# Altium PCB Timingcard_PCB.PcbDoc (part 1 of 3) (continued)
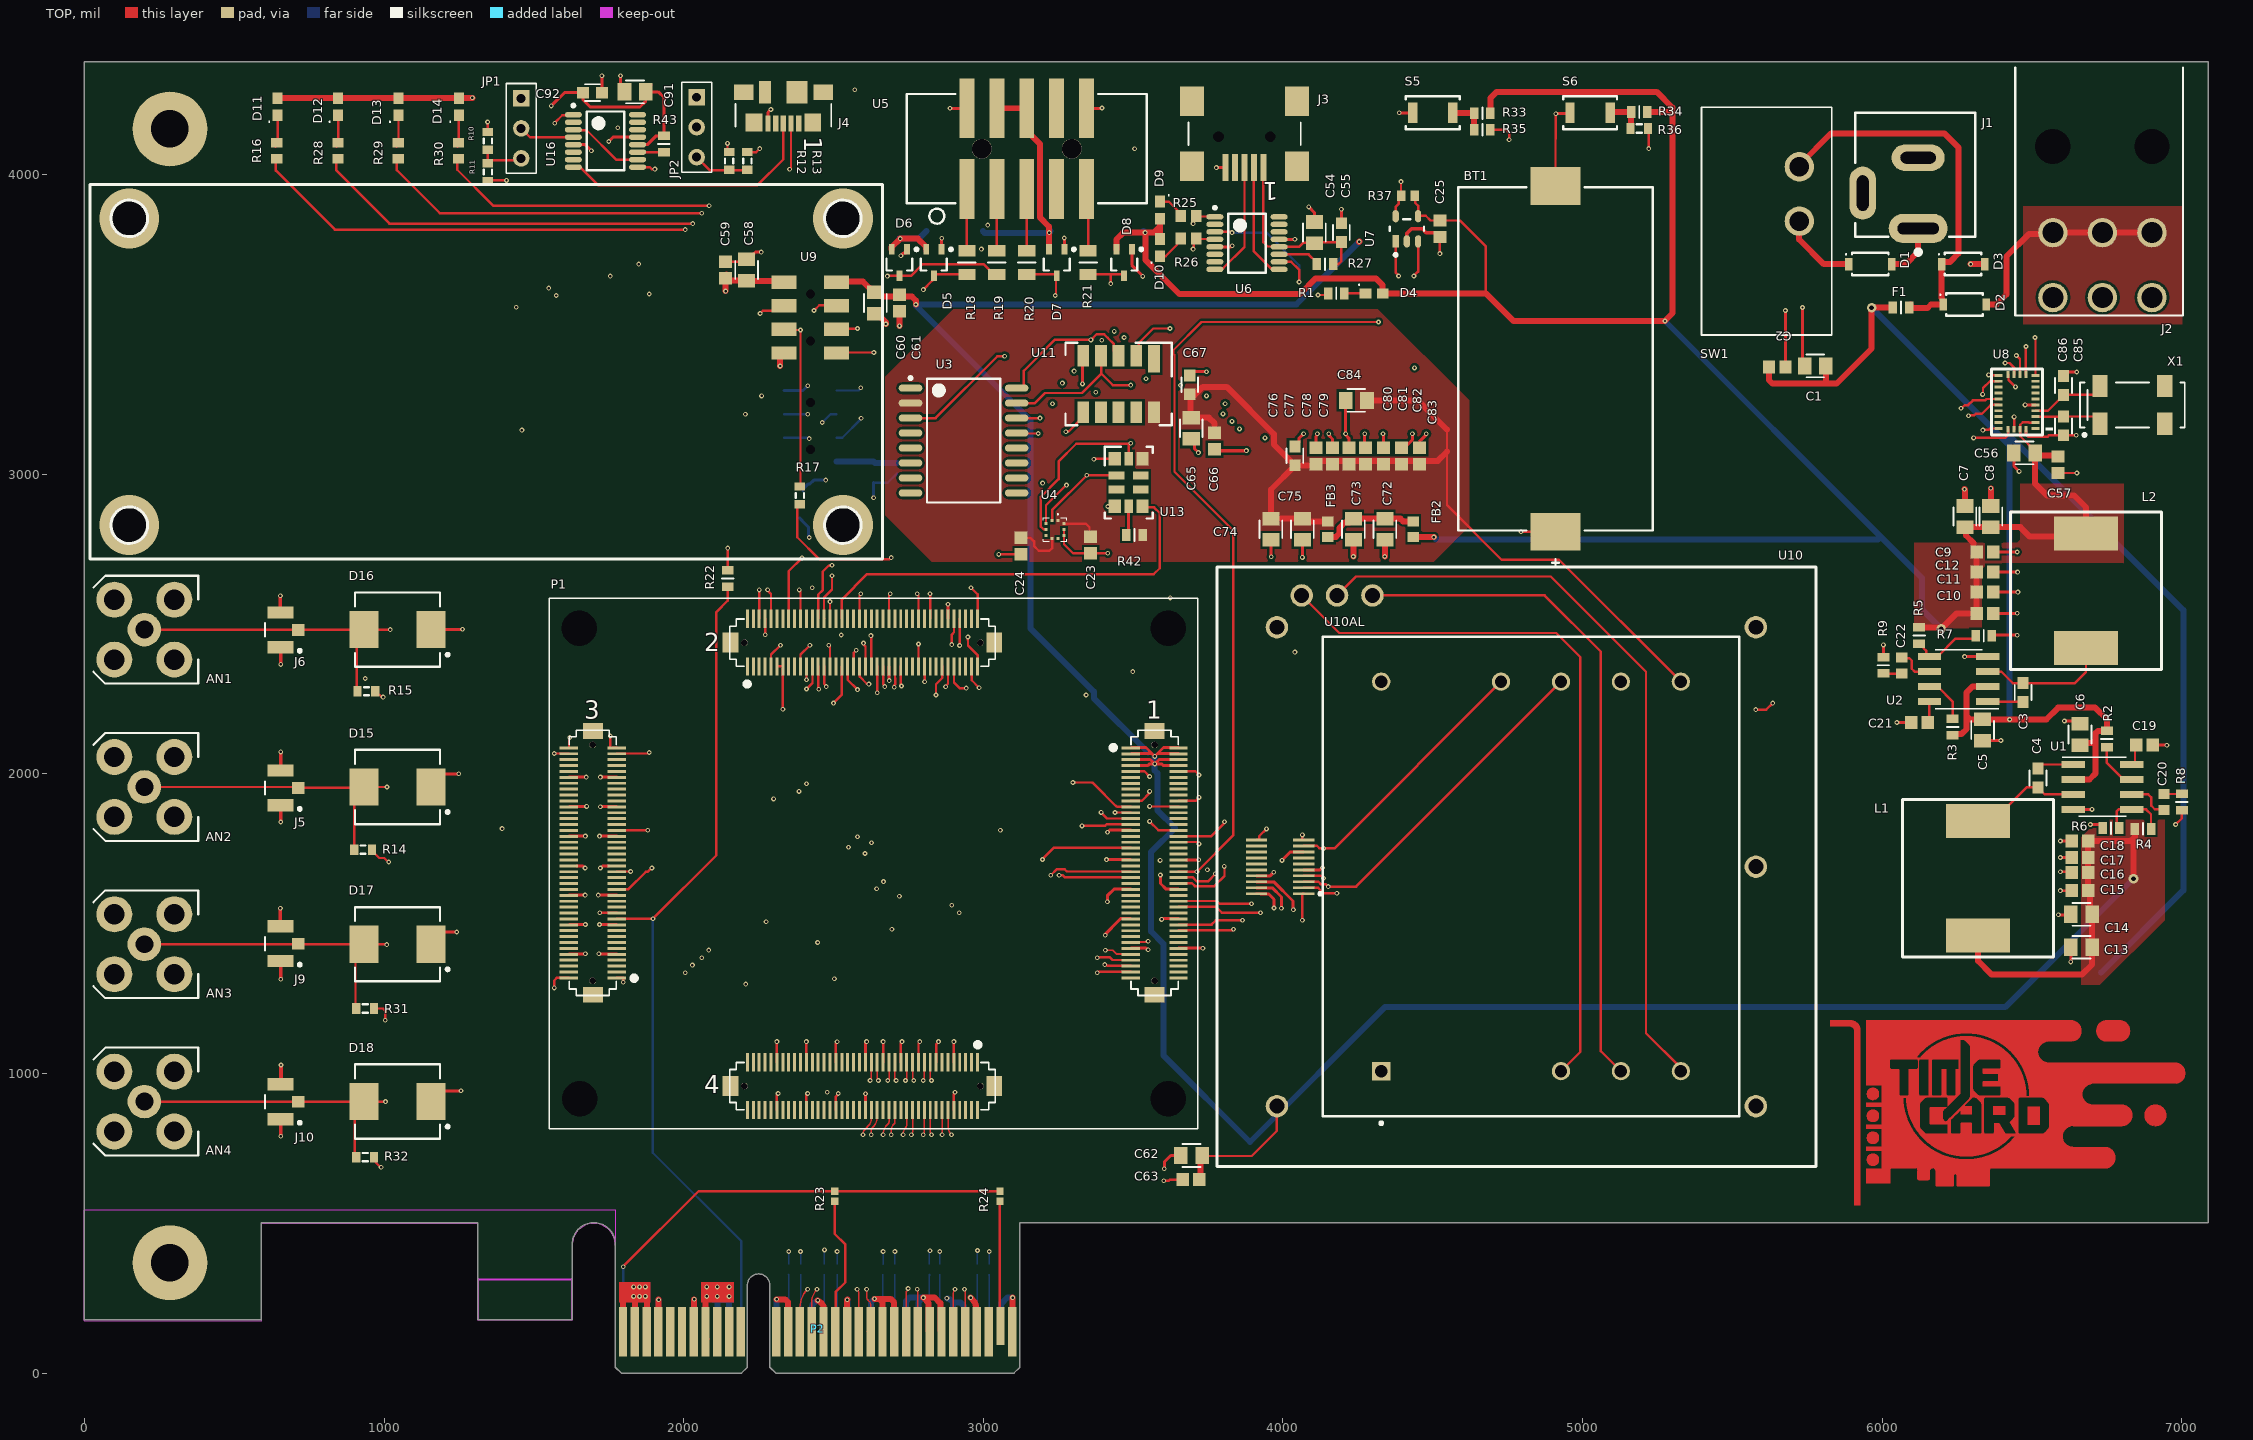
[diagram p0: TOP view]
## Footprints (in the part's own frame and the unit in brackets; to place one, negate y for a bottom-side part, rotate by r counter-clockwise, add the part's x,y. Pads: shape width x height; smd on the part's side, far side on the other; paste and mask are expansions set on the pad) (continued)
  rect 0.9x0.5 smd: 1(-1.125,0.65) 2(-1.125,-0.65) 3(1.125,0)
  silkscreen extent -1.25,-1.1 0.67,1.58, body extent -1.25,-1.1 1,1.1, height 1.08
TECO-1909763-1_V [mm] "SMD, 3-Leads, Body 2.6x2.6mm, Height 1.25mm"
  rect 1.05x2.2 smd: 1(-1.475,0) 3(1.475,0)
  rect 1x1.05 smd: 2(0,-1.525)
  silkscreen extent -1.9,-1.78 0.55,1.3, body extent -1.5,-1.55 1.5,1.55, height 1.23
USB_47346-1001 [mm] "USB-MICRO B FLANGELESS BOTTOM MNT"
  rect 1.65x1.3 smd: 0(-2.075,-2.66) 0(4.675,-2.66)
  rect 1.42x1.55 smd: 0(-1.2,-0.085) 0(3.8,-0.085)
  rect 1.8x1.9 smd: 0(0.15,-2.66)
  rect 1x1.9 smd: 0(2.85,-2.66)
  rect 0.45x1.38 smd: 1(0,0) 2(0.65,0) 3(1.3,0) 4(1.95,0) 5(2.6,0)
  silkscreen extent -2.76,-1.65 5.36,0.25, body extent -2.6,-4.75 5.2,0.25, height 2.68
USB_1734035 [mm] "USB-MINI B W/BRD GUIDE"
  rect 2x2.5 smd: 0(-2.85,-0.1) 0(-2.85,-5.6) 0(6.05,-0.1) 0(6.05,-5.6)
  round 0.8 hole 0.9 unplated: 0(-0.6,-2.6) 0(3.8,-2.6)
  rect 0.5x2.3 smd: 1(0,0) 2(0.8,0) 3(1.6,0) 4(2.4,0) 5(3.2,0)
  silkscreen extent -3.17,-3.81 6.35,-1.9, body extent -3.33,-8.5 6.57,0.7, height 4.14
W16-H2_L [mm] "SOIC, 16-Leads, Body 10.3x7.5mm, Pitch 1.27mm, IPC High Density"
  oval 2x0.6 smd: 1(-4.5,4.445) 2(-4.5,3.175) 3(-4.5,1.905) 4(-4.5,0.635) 5(-4.5,-0.635) 6(-4.5,-1.905) 7(-4.5,-3.175) 8(-4.5,-4.445) 9(4.5,-4.445) 10(4.5,-3.175) 11(4.5,-1.905) 12(4.5,-0.635) 13(4.5,0.635) 14(4.5,1.905) 15(4.5,3.175) 16(4.5,4.445)
  silkscreen extent -4.62,-5.25 3.1,5.42, body extent -3.8,-5.25 3.8,5.25, height 2.65

## Part data
AN1 AN2 AN3 AN4: "CONN, JACK, SMA, FEMALE, 50 OHM, R/A, GOLD, TH", MAXTEMP=165C, MFG PART NUM=901-143-6RFX, MINTEMP=-65C, Supplier Part Number 1=ARFX1232-ND, VALENTIUM PART NUM=<VALENTIUM>, CATEGORY="CONN, JACK", DESC="CONN, JACK, SMA, FEMALE, 50 OHM, R/A, GOLD, TH", MFG Name=AMPHENOL, MODIFY DATE=10/10/2013, OTHER=GOLD, P1=FEMALE, P2="50 OHM", P3=R/A, SIZE="9.86MM HT", Supplier 1=Digi-Key
BT1: library part CMP-136216-000002-1, "BATTERY HOLDER COIN 20MM SMD", Case/Package=SMD/SMT, Max Operating Temperature=280°C, Min Operating Temperature=-40°C, Package Quantity=400, Mount="Surface Mount", Number of Cells=1, Termination=SMD/SMT
C1 C5 C6 C7 C8 C13 C14 C56 C58 C60 C62 C87 C89: "CAP, CER, 10.UF, 25V, 10%, X5R, 0805", MAXTEMP=85C, MFG PART NUM=TMK212BBJ106KG-T, MINTEMP=-55C, Supplier Part Number 1=963-TMK212BBJ106KG-T, VALENTIUM PART NUM=<VALENTIUM>, CATEGORY="CAP, CER", DATE="4/11/2006 3:37:28 PM", DESC="CAP, CER, 10.UF, 10V, 10%, X5R, 0805", MFG Name="TAIYO YUDEN", MODIFY DATE=10/23/2013, P1=10%, P2=25V, P3=X5R, SIZE=0805, Supplier 1=MOUSER
C2 C9 C10 C11 C12 C15 C16 C17 C18 C19 C21 C23 C24 C25 C57 C59 C61 C63 C66 C77 C78 C79 C80 C81 C82 C83 C88 C90: library part CMP-2006-00003-1, "C0603X104K5RACAUTO", Manufacturer=Kemet, Part Number=C0603X104K5RACAUTO
C3 C4 C67 C76: "CAP, CER, 0.01UF, 50V, 10%, X7R, 0603", MAXTEMP=125C, MFG PART NUM=C0603C103K5RACTU, MINTEMP=-55C, Supplier Part Number 1=399-1091-1-ND, VALENTIUM PART NUM=<VALENTIUM>, CATEGORY="CAP, CER", DATE=7/24/2013, DESC="CAP, CER, 0.01UF, 50V, 10%, X7R, 0603", MFG Name=KEMET, MODIFY DATE=10/23/2013, P1=10%, P2=50V, P3=X7R, SIZE=0603, Supplier 1=Digi-Key
C20 C22: library part CMP-2006-02385-1, "GCM188R71H333KA55D", Manufacturer=Murata, Part Number=GCM188R71H333KA55D
C44 C45 C46 C47 C48 C49 C50 C51 C52 C53: "CAP, CER, 0.1UF, 50V, 10%, X7R, AEC-Q200, 0402", MAXTEMP=125C, MFG PART NUM=CGA2B3X7R1H104K050BB, MINTEMP=-55C, Supplier Part Number 1=445-6899-1-ND, VALENTIUM PART NUM=<VALENTIUM>, CATEGORY="CAP, CER", DESC="CAP, CER, 0.1UF, 50V, 10%, X7R, AEC-Q200, 0402", MFG Name=TDK, MODIFY DATE=10/23/2013, OTHER=AEC-Q200, P1=10%, P2=50V, P3=X7R, SIZE=0402, Supplier 1=Digi-Key
C54 C91: "CAP, CER, 1.0UF, 25V, 10%, X5R, 0805", MAXTEMP=85C, MFG PART NUM=08053D105KAT2A, MINTEMP=-55C, Supplier Part Number 1=478-1409-1-ND, VALENTIUM PART NUM=<VALENTIUM>, CATEGORY="CAP, CER", DATE="4/11/2006 3:37:28 PM", DESC="CAP, CER, 1.0UF, 25V, 10%, X5R, 0805", MFG Name=AVX, MODIFY DATE=10/23/2013, P1=10%, P2=25V, P3=X5R, SIZE=0805, Supplier 1=Digi-Key
C55 C92: library part CAP_0603_10UF_25V, "CAP, CER, 10.UF, 25V, 20%, X5R, AEC-Q200, 0603", MAXTEMP=85C, MINTEMP=-55C, Supplier Part Number 1=490-12323-6-ND, VALENTIUM PART NUM=<VALENTIUM>, CATEGORY="CAP, CER", DATE=7/25/2013, DESC="CAP, CER, 10.UF, 25V, 20%, X5R, AEC-Q200, 0603", MFG Name=MURATA, MFG PART NUM=GRT188R61E106ME13D, MODIFY DATE=10/23/2013, OTHER=AEC-Q200, P1=20%, P2=25V, P3=X5R, SIZE=0603, Supplier 1=Digi-Key
C65 C84: "CAP, CER, 1.0UF, 50V, 10%, X7R, 0805", MAXTEMP=125C, MFG PART NUM=GCM21BR71H105KA03L, MINTEMP=-55C, Supplier Part Number 1=490-10675-1-ND, VALENTIUM PART NUM=<VALENTIUM>, CATEGORY="CAP, CER", DATE="10/31/2006 2:46:38 PM", DESC="CAP, CER, 1.0UF, 50V, 10%, X7R, 0805", MFG Name=MURATA, MODIFY DATE=10/23/2013, OTHER=AEC-Q200, P1=10%, P2=50V, P3=X7R, SIZE=0805, Supplier 1=Digi-Key
C72 C73 C74 C75: "CAP, CER, 22.UF, 16V, 20%, X5R, 0805", MAXTEMP=85C, MFG PART NUM=GRM219R61C226ME15L, MINTEMP=-55C, Supplier Part Number 1=490-9952-1-ND, VALENTIUM PART NUM=<VALENTIUM>, CATEGORY="CAP, CER", DATE="4/11/2006 3:37:28 PM", DESC="CAP, CER, 22.UF, 16V, 20%, X5R, 0805", MFG Name=MURATA, MODIFY DATE=10/23/2013, P1=20%, P2=16V, P3=X5R, SIZE=0805, Supplier 1=Digi-Key
C85 C86: "CAP, CER, 22.PF, 50V, 5%, NPO, 0603", MAXTEMP=125C, MFG PART NUM=C0603C220J5GACTU, MINTEMP=-55C, Supplier Part Number 1=399-1053-1-ND, VALENTIUM PART NUM=<VALENTIUM>, CATEGORY="CAP, CER", DATE=7/25/2013, DESC="CAP, CER, 22.PF, 50V, 5%, NPO, 0603", MFG Name=KEMET, MODIFY DATE=10/23/2013, P1=5%, P2=50V, P3=NP0, SIZE=0603, Supplier 1=Digi-Key
D1 D2 D3: library part DFLZ39, "DIO, ZENER, DFLZ39, 39V, 5%, 1W, SOD123FL", MAXTEMP=150C, MINTEMP=-55C, Supplier Part Number 1=DFLZ39-TPMSDKR-ND, VALENTIUM PART NUM=<VALENTIUM>, CATEGORY="DIO, ZENER", DESC="DIO, ZENER, DFLZ39, 39V, 5%, 1W, SOD123FL", MFG Name="MICRO COMM", MFG PART NUM=DFLZ39-TP, MODIFY DATE=9/4/2013, OTHER=SERIES, P1=39V, P2=5%, P3=1W, SIZE=SOD123FL, Supplier 1=Digi-Key
D4 D9 D10 D11 D12 D13 D14: library part SMTLED_RED_0603_SML, "LED, RED, SML-LX0603, 635NM, 2V, 20MA, 0603", MAXTEMP=85C, MFG PART NUM=SML-LX0603IW-TR, MINTEMP=-25C, Supplier Part Number 1=67-1548-1-ND, VALENTIUM PART NUM=<VALENTIUM>, CATEGORY=LED, DESC="LED, RED, SML-LX0603, 635NM, 2V, 20MA, 0603", MFG Name=LUMEX, MODIFY DATE=9/4/2013, OTHER=SML-LX0603, P1=635NM, P2=2V, P3=20MA, SIZE=0603, Supplier 1=Digi-Key
D5 D6 D7 D8: "DIO, SCHOTTKY, BAT54S, DUAL SERIES, 30V, 200MA, SC-70", MAXTEMP=150C, MFG PART NUM=BAT54SWQ-7-F, MINTEMP=-55C, Supplier Part Number 1=BAT54SWQ-7-FDICT-ND, VALENTIUM PART NUM=<VALENTIUM>, CATEGORY="DIO, SCHOTTKY", DESC="DIO, SCHOTTKY, BAT54S, DUAL SERIES, 30V, 200MA, SC-70", MFG Name="DIODES INC", MODIFY DATE=9/4/2013, OTHER=SERIES, P1=SCHOTTKY, P2=30V, P3=200mA,200mW, SIZE=SC-70, Supplier 1=Digi-Key
D15 D16 D17 D18: "DIO, TVS, SMCJ6.5, 6.5V, BIDIR, 1.5KW, SMC", MAXTEMP=150C, MINTEMP=-55C, Supplier Part Number 1=SMCJ6.5CALFCT-ND, VALENTIUM PART NUM=<VALENTIUM>, CATEGORY="DIO, TVS", DESC="DIO, TVS, SMCJ6.5, 6.5V, BIDIR, 1.5KW, SMC", MFG Name=LITTELFUSE, MFG PART NUM=SMCJ6.5CA, MODIFY DATE=9/4/2013, OTHER=SMCJ, P1=6.5V, P2=BIDIR, P3=1.5KW, SIZE=SMC, Supplier 1=Digi-Key
F1: "FUSE SLOW 2.00A 32V M 0603", MAXTEMP=105C, MFG PART NUM=SF-0603S200-2, MINTEMP=-40C, Supplier Part Number 1=SF-0603S200-2CT-ND, VALENTIUM PART NUM=<VALENTIUM>, CATEGORY=FUSE, DATE="20 OCT 15", DESC="FUSE SLOW 1.25A 32V M 0603", MFG Name=BOURNS, MODIFY DATE=9/4/2013, OTHER="UL E141069", P1="SLOW BLO", P2=32V, P3=M, SIZE=0603, Supplier 1=Digi-Key
FB2 FB3: "FER, 220 OHM, 100MHZ, 2.2A, 0.05OHM DC, MPZ1608, 0603", MAXTEMP=125C, MFG PART NUM=MPZ1608S221ATA00, MINTEMP=-55C, Supplier Part Number 1=445-1565-1-ND, VALENTIUM PART NUM=<VALENTIUM>, CATEGORY=FERRITE, DATE=8/6/2013, DESC="FER, 220 OHM, 100MHZ, 2.2A, 0.05OHM DC, MPZ1608, 0603", MFG Name="TDK CORP", MODIFY DATE=9/4/2013, OTHER=MPZ1608, P1=100MHZ, P2=2.2A, P3="0.05 OHM", SIZE=0603, Supplier 1=Digi-Key
J1: "CONN, JACK, PJ-002A, 2.1X5.5MM, 24V 2.5A, R/A TH, SPST-NC", MAXTEMP=85C, MINTEMP=-25C, Supplier Part Number 1=CP-002A-ND, VALENTIUM PART NUM=<VALENTIUM>, CATEGORY="CONN, JACK", DESC="CONN, JACK, PJ-002A, 2.1X5.5MM, 24V 2.5A, R/A TH, SPST-NC", MFG Name="CUI DEVICES", MFG PART NUM=PJ-002A, OTHER=SPST-NC, P1=2.1X5.5MM, P2=24V, P3=2.5A, SIZE="R/A TH", Supplier 1=Digi-Key
J2: "CONN, HDR, 2X3, R/A, 4.2MM, TH, MINI-FIT JR", MAXTEMP=105C, MFG PART NUM=105314-1206, MINTEMP=-40C, Supplier Part Number 1=WM14977-ND, VALENTIUM PART NUM=<VALENTIUM>, CATEGORY="CONN, HDR", DESC="CONN, HDR, 2X3, R/A, 2.5MM, TH, NANO-FIT", MFG Name=MOLEX, MODIFY DATE=10/10/2013, OTHER=NANO-FIT, P1=R/A, P2=2.5MM, SIZE=TH, Supplier 1=Digi-Key
J3: "CONN, REC, USB, R/A, MINI, TYPE B, 5 POS, SMT W/BRD GUIDE", MAXTEMP=C, MFG PART NUM=1734035-2, Supplier Part Number 1=A31727CT-ND, VALENTIUM PART NUM=<VALENTIUM>, CATEGORY="CONN, REC", DESC="CONN, REC, USB, R/A, MINI, TYPE B, 5 POS, SMT W/BRD GUIDE", MFG Name="TE CONNECTIVITY/AMP", MINTEMP=C, MODIFY DATE=10/10/2013, OTHER=USB, P1=R/A, P2="5 POS", P3="USB MINI B", SIZE=SMT, Supplier 1=Digi-Key
J4: library part USB_B_473461001, "CONN, REC, USB, R/A, MICRO, TYPE B, 5 POS, SMT FLANGELESS", MAXTEMP=85C, MINTEMP=-30C, Supplier Part Number 1=WM11228CT-ND, VALENTIUM PART NUM=<VALENTIUM>, CATEGORY="CONN, REC", DESC="CONN, REC, USB, R/A, MICRO, TYPE B, 5 POS, SMT FLANGELESS", MFG Name=MOLEX, MFG PART NUM=473461001, MODIFY DATE=10/10/2013, OTHER=FLANGELESS, P1=R/A, P2="5 POS", P3="USB MICRO B", SIZE=SMT, Supplier 1=Digi-Key
J5 J6 J9 J10: library part CMP-2000-07505-1, "Ultra Miniature Coaxial Connector Jack, 60 V, 50 Ohm, -40 to 90 degC, RoHS, Tape and Reel", Case\/Package=SMD/SMT, Dielectric Material=Polymer, Housing Colour=Beige, Manufacturer="TE Connectivity", Max Frequency=6GHz, Max Operating Temperature=90degC, Min Operating Temperature=-40degC, Package Description="3-Pin Surface Mount Device, Body 2.6 x 2.6 mm", Package Quantity=1, Package Reference=TECO-1909763-1, Body Material=LiquidCrystalPolymer, Body Plating=Gold, Connector Type=Jack, Contact Material=CopperAlloy, Contact Plating=Gold, Datasheet URL=http://www.te.com/commerce/DocumentDelivery/DDEController?Action=srchrtrv&DocNm=1909763&DocType=Customer+Drawing&DocLang=English, Datasheet Version="Rev. B2, 11/2015", ELV=Compliant, Fastening Type=Pull, Gender=Female, Impedance=50Ohm, Insulation Material=Thermoplastic, Lead Free=LeadFree, Length=3mm, Manufacturer URL=http://www.te.com/, Mount=SurfaceMount, Mounting Technology=SurfaceMount, Orientation=Straight, Packaging=TapeandReel, PCB Mounting Orientation=Vertical, Radiation Hardening=No, RoHSCompliant=true, Termination=SMD/SMT
JP1 JP2: "CONN, HDR, 1X3, VERT, .1, JUMPER, TH", MAXTEMP=C, MFG PART NUM=TSW-103-08-G-S, Supplier Part Number 1=SAM1038-02-ND, VALENTIUM PART NUM=<VALENTIUM>, CATEGORY="CONN, HDR", DESC="CONN, HDR, 1X3, VERT, .1, JUMPER, TH", MFG Name=SAMTEC, MINTEMP=C, MODIFY DATE=10/10/2013, OTHER=TSW-1XX, P1=VERT, P2=.1, P3=FEATURE, SIZE=TH, Supplier 1=Digi-Key
L1 L2: "IND, PWR, 10.uH, 20%, 4A, 0.04DCR, 12.5X12.5MM, SHLD", MAXTEMP=125C, MINTEMP=-40C, Supplier Part Number 1=PM124SH-100M-RCCT-ND, VALENTIUM PART NUM=<VALENTIUM>, CATEGORY="IND, PWR", DATE=10/23/2013, DESC="IND, PWR, 10.uH, 20%, 4A, 0.04DCR, 12.5X12.5MM, SHLD", MFG Name=BOURNS, MFG PART NUM=PM124SH-100M-RC, MODIFY DATE=10/23/2013, OTHER=SHLD, P1=20%, P2=4A, P3=36mOhm, SIZE=12.5X12.5MM, Supplier 1=Digi-Key
P2: "PCIE x4 Edge Connector,OrCAD Symbol,NC", Manufacturer=NA, Part Number=451, NOTE=NC, Part Type=SMT, Vendor P/N=NA
R1: library part RES_0603_200, "RES, 200 OHM, 1%, 1/10W, TF, 0603", MAXTEMP=125C, MINTEMP=-55C, Supplier Part Number 1=P200HCT-ND, VELENTIUM PART NUM=<VELENTIUM>, CATEGORY=RES, DATE=7/26/2013, DESC="RES, 200 OHM, 1%, 1/10W, TF, 0603", MFG Name=PANASONIC, MFG PART NUM=ERJ-3EKF2000V, ModifyDate=7/25/2013, OTHER=100PPM, P1=1%, P2=1/10W, P3=TF, SIZE=0603, SUB=GENERIC, Supplier 1=Digi-Key
R2 R3 R4: library part RES_0603_47K, "RES, 47K, 1%, 1/10W, TF, 0603", MAXTEMP=125C, MINTEMP=-55C, Supplier Part Number 1=P47.0KHCT-ND, VELENTIUM PART NUM=<VELENTIUM>, CATEGORY=RES, DATE=1/22/2014, DESC="RES, 47K, 1%, 1/10W, TF, 0603", MFG Name=PANASONIC, MFG PART NUM=ERJ-3EKF4702V, ModifyDate=1/22/2014, OTHER=100PPM, P1=1%, P2=1/10W, P3=TF, SIZE=0603, SUB=GENERIC, Supplier 1=Digi-Key
R5: library part RES_0603_26.1K, "RES, 26.1K, 1%, 1/10W, TF, 0603", MAXTEMP=125C, MINTEMP=-55C, Supplier Part Number 1=P26.1KHCT-ND, VELENTIUM PART NUM=<VELENTIUM>, CATEGORY=RES, DATE=7/26/2013, DESC="RES, 27.1K, 1%, 1/10W, TF, 0603", MFG Name=PANASONIC, MFG PART NUM=ERJ-3EKF2612V, ModifyDate=7/25/2013, OTHER=100PPM, P1=1%, P2=1/10W, P3=TF, SIZE=0603, SUB=GENERIC, Supplier 1=Digi-Key
R6 R7 R27 R33 R34 R42 R43: library part RES_0603_10K, "RES, 10K, 1%, 1/10W, TF, 0603", MAXTEMP=125C, MINTEMP=-55C, Supplier Part Number 1=P10.0KHCT-ND, VELENTIUM PART NUM=<VELENTIUM>, CATEGORY=RES, DATE=7/26/2013, DESC="RES, 10K, 1%, 1/10W, TF, 0603", MFG Name=PANASONIC, MFG PART NUM=ERJ-3EKF1002V, ModifyDate=7/25/2013, OTHER=100PPM, P1=1%, P2=1/10W, P3=TF, SIZE=0603, SUB=GENERIC, Supplier 1=Digi-Key
R8 R9: library part RES_0603_2.2K, "RES, 2.2K, 1%, 1/10W, TF, 0603", MAXTEMP=125C, MINTEMP=-55C, Supplier Part Number 1=P2.20KHCT-ND, VELENTIUM PART NUM=<VELENTIUM>, CATEGORY=RES, DATE=8/15/2013, DESC="RES, 2.2K, 1%, 1/10W, TF, 0603", MFG Name=PANASONIC, MFG PART NUM=ERJ-3EKF2201V, ModifyDate=8/15/2013, OTHER=100PPM, P1=1%, P2=1/10W, P3=TF, SIZE=0603, SUB=GENERIC, Supplier 1=Digi-Key
R10 R11 R12 R13 R14 R15 R17 R31 R32: library part Res3, "Resistor", LatestRevisionDate=29-May-2009, LatestRevisionNote="IPC-7351 Footprint Added.", PackageDescription="Chip Resistor", PackageReference=J1-0603, Published=8-Jun-2000, Publisher="Altium Limited"
R16 R28 R29 R30: library part CMP-2000-00316-1, "ERJ-3EKF2000V", Manufacturer=Panasonic, Part Number=ERJ-3EKF2000V
R18 R19 R20 R21: library part RES_0805_33, "RES, 33 OHM, 1%, 1/8W, TF, 0805", MAXTEMP=125C, MINTEMP=-55C, Supplier Part Number 1=541-33.0CCT-ND, VELENTIUM PART NUM=<VELENTIUM>, CATEGORY=RES, DESC="RES, 33 OHM, 1%, 1/8W, TF, 0805", MFG Name=VISHAY/DALE, MFG PART NUM=CRCW080533R0FKEA, ModifyDate=7/26/2013, OTHER=100PPM, P1=1%, P2=1/8W, P3=TF, SIZE=0805, Supplier 1=Digi-Key
R22: library part RES_0603_4.7K, "RES, 4.7K, 1%, 1/10W, TF, 0603", MAXTEMP=125C, MINTEMP=-55C, Supplier Part Number 1=P4.70KHCT-ND, VELENTIUM PART NUM=<VELENTIUM>, CATEGORY=RES, DATE=7/26/2013, DESC="RES, 4.7K, 1%, 1/10W, TF, 0603", MFG Name=PANASONIC, MFG PART NUM=ERJ-3EKF4701V, ModifyDate=7/25/2013, OTHER=100PPM, P1=1%, P2=1/10W, P3=TF, SIZE=0603, SUB=GENERIC, Supplier 1=Digi-Key
R23 R24: library part RES_0402_0, "RES, 0. OHM, 1%, 1/16W, TF, AEC-Q200, 0402", MAXTEMP=155C, MINTEMP=-55C, Supplier Part Number 1=P0.0JCT-ND, VELENTIUM PART NUM=<VELENTIUM>, CATEGORY=RES, DATE=7/26/2013, DESC="RES, 0 OHM, 1%, 1/16W, TF, AEC-Q200, 0402", MFG Name=PANASONIC, MFG PART NUM=ERJ-2GE0R00X, ModifyDate=7/25/2013, OTHER="100PPM, AEC-Q200", P1=1%, P2=1/16W, P3=TF, SIZE=0402, SUB=GENERIC, Supplier 1=Digi-Key
R25 R26: library part CMP-2000-02679-1, "RR0816P-4990-D-68A", Manufacturer=Susumu, Part Number=RR0816P-4990-D-68A
R35 R36: library part RES_0603_1.0K, "RES, 1.0K, 1%, 1/10W, TF, 0603", MAXTEMP=125C, MINTEMP=-55C, Supplier Part Number 1=P1.00KHCT-ND, VELENTIUM PART NUM=<VELENTIUM>, CATEGORY=RES, DATE=7/26/2013, DESC="RES, 1.0K, 1%, 1/10W, TF, 0603", MFG Name=PANASONIC, MFG PART NUM=ERJ-3EKF1001V, ModifyDate=7/25/2013, OTHER=100PPM, P1=1%, P2=1/10W, P3=TF, SIZE=0603, SUB=GENERIC, Supplier 1=Digi-Key
R37: library part CMP-2000-06990-1, "Chip Resistor, 10 KOhm, +/- 1%, 0.1 W, -55 to 155 degC, 0603 (1608 Metric), RoHS, Tape and Reel RMCF0603FT10K0", Manufacturer=Stackpole-Electronics-Inc., Operating Temperature=-55°C~155°C, Package / Case=0603(1608Metric), Package Description="2-Pin Surface Mount Device, Body 1.55 x 0.8 mm", Package Reference=0603, Power (Watts)=0.1W,1/10W, Resistance (Ohms)=10k, Temperature Coefficient=±100ppm/°C, Tolerance=±1%, CATEGORY=Resistors, Composition=ThickFilm, Datasheet URL=https://www.seielect.com/Catalog/SEI-RMCF_RMCP.pdf, Datasheet Version=01/2017, Family=ChipResistor-SurfaceMount, Features=AutomotiveAEC-Q200, Height="0.022\"(0.55mm)", Manufacturer URL=https://www.seielect.com/, Mounting Technology=SurfaceMount, Number of Terminations=2, Packaging=CutTape(CT), Series=RMCF, Size / Dimension="0.061\"Lx0.031\"W(1.55mmx0.80mm)", Supplier Device Package=0603
S5 S6: "SW, SPST-NO, TACT, 12V, 50MA, 3X2.5MM SMT, B3U SERIES", MAXTEMP=70C, MINTEMP=-25C, Supplier Part Number 1=SW1020CT-ND, VALENTIUM PART NUM=<VALENTIUM>, CATEGORY=SW, DESC="SW, SPST-NO, TACT, 12V, 50MA, 3X2.5MM SMT, B3U SERIES", MFG Name=OMRON, MFG PART NUM=B3U-1000P, MODIFY DATE=9/5/2013, OTHER="B3U SERIES", P1=12V, P2=50mA, P3=TACT, SIZE=3X2.5MM, Supplier 1=Digi-Key
SW1: "SW, SPST, 250V, 2A, SLIDE, ON-OFF, TH", MAXTEMP=85C, MINTEMP=-25C, Supplier Part Number 1=CKC5106-ND, VALENTIUM PART NUM=<VALENTIUM>, CATEGORY=SW, DATE=9/5/2013, DESC="SW, SPST, 250V, 2A, SLIDE, ON-OFF, TH", MFG Name=C&K, MFG PART NUM=L101011MS02Q, MODIFY DATE=1/21/2014, OTHER=L101011MS02Q, P1=250V, P2=2A, P3="SW, SPST, 250V, 2A, SLIDE, ON-OFF, TH", SIZE=19.1X10.79MM, Supplier 1=Digi-Key
U1 U2: library part MP1482DS, "IC, DC/DC, MP1482DS, >4.75VIN, 0.923-15V OUT, SOIC8", MAXTEMP=+85C, MINTEMP=-40C, Supplier Part Number 1=1589-1524-1-ND, VELENTIUM PART NUM="<V PART NUM>", CATEGORY="IC, DC/DC", DESC="IC, DC/DC, MP1482DS, >4.75VIN, 0.923-15V OUT, SOIC8", MFG Name=MPS, MFG PART NUM=MP1482DS-LF, MODIFY DATE="12/27/2005 8:34:25 AM", OTHER="additional spec", P1=">4.75V IN", P2="0.923-15V OUT", P3=W, SIZE=8SOIC, Supplier 1=Digi-Key
U3: library part CMP-0254-00293-1, "Extremely Accurate I2C-Integrated Real-Time Clock/TCXO/Crystal, 16-Pin SO, -40 to 85 degC", Code_IPC=SOIC127P1030-16, Code_JEDEC=MS-013-AA, ComponentLink1Description="Manufacturer URL", ComponentLink1URL=http://www.maxim-ic.com, ComponentLink2Description=Datasheet, ComponentLink2URL=http://datasheets.maxim-ic.com/en/ds/DS3231.pdf, ComponentLink3Description="Package Specification", ComponentLink3URL=http://pdfserv.maxim-ic.com/package_dwgs/21-0042.PDF, DatasheetVersion="Rev 8, Jul-2010", PackageDescription="16-Pin Small-Outline IC, Wide (0.3in), 1.27 mm Pitch, SOIC (W)", PackageReference=W16-H2, PackageVersion="revD, 2010"
U4: "Integrated Circuit", Manufacturer_Name="Bosch Sensortec", Mouser Part Number=262-BMP388, Arrow Part Number=BMP388, Arrow Price/Stock=https://www.arrow.com/en/products/bmp388/bosch, Datasheet Link=https://ae-bst.resource.bosch.com/media/_tech/media/datasheets/BST-BMP388-DS001-01.pdf, Height=0mm, Manufacturer_Part_Number=BMP388, Mouser Price/Stock=https://www.mouser.co.uk/ProductDetail/Bosch-Sensortec/BMP388?qs=rrS6PyfT74eIcD5Rv1Kf7A%3D%3D
U5: library part SAMTEC-HTSH-105-01-L-DV, "CONN, HDR, 2X5, VERT, 0.1IN  SHROUDED, SMT, HTSH SERIES", MAXTEMP=125C, MINTEMP=-55C, Supplier Part Number 1=SAM8809-ND, VALENTIUM PART NUM=<VALENTIUM>, CATEGORY="CONN, HDR", DESC="CONN, HDR, 2X5, VERT, 0.1IN  SHROUDED, SMT, HTSH SERIES", MFG Name="SAMTEC INC", MFG PART NUM=HTST-105-01-L-DV-A, MODIFY DATE=10/10/2013, OTHER="HTSH SERIES", P1=VERT, P2="0.1 IN", P3=SHROUDED, SIZE=SMT, Supplier 1=Digi-Key
U6 U16: "IC, TCVR, FT230, USB TO UART, 5V, FTDI, 16SSOP", MAXTEMP=85C, MINTEMP=-40C, Supplier Part Number 1=768-1135-1-ND, VELENTIUM PART NUM="<V PART NUM>", CATEGORY="IC, TCVR", DESC="IC, TCVR, FT230, USB TO UART, 5V, FTDI, 16SSOP", MFG Name=FTDI, MFG PART NUM=FT230XS-R, MODIFY DATE=8/14/2013, P1="USB TO UART", P2=5V, P3=FTDI, SIZE=20SSOP, Supplier 1=Digi-Key
U7: library part CMP-06313-000011-1, "IC EEPROM 2K I2C 1MHZ SOT23-5", Frequency=1000kHz, Manufacturer=Microchip, Max Supply Voltage=5.5V, Min Supply Voltage=1.7V, Nominal Supply Current=0.4-2mA, Package=5TS1, Temperature="-40°C to +85°C", Temperature Range High=+85°C, Temperature Range Low=-40°C, Access Time=0.55us, Automotive=No, CATEGORY=IC, ComponentLink2Description=Datasheet, ComponentLink2URL=http://ww1.microchip.com/downloads/en/DeviceDoc/Atmel-8807-SEEPROM-AT24MAC402-602-Datasheet.pdf, Device Class L1="Integrated Circuits (ICs)", Device Class L2=Memory, Device Class L3=EEPROM, Digikey Description="IC EEPROM 2K I2C 1MHZ SOT23-5", Height=1mm, Interface=I2C,2-Wire, Ipc Land Pattern Name=SOT95P280X100-5, Lead Free=Yes, Manufacturer Part Number=AT24MAC402-STUM-T, Memory Size=2Kbits, Memory Type=EEPROM, Mouser Description="EEPROM Serial-I2C 2K-bit 256 x 8 1.8V/2.5V/3.3V/5V 5-Pin SOT-23 T/R", Octopart=https://octopart.com/at24mac402-stum-t-microchip-77758112, RoHS=TRUE, Standoff Height=0mm
U8: "MOD, IMU, 5.2X3.8, SMT", MAXTEMP=+85C, MINTEMP=-40C, Supplier Part Number 1=1888-1000-1-ND, VELENTIUM PART NUM="<V PART NUM>", CATEGORY=MOD, DESC="MOD, IMU, 5.2X3.8, SMT", MFG Name=HILLCREST, MFG PART NUM=BNO080, MODIFY DATE=10/21/2013, OTHER=IMU, SIZE=5.2X3.8, Supplier 1=Digi-Key
U9 U14: "MOD, GPS", MAXTEMP=80C, MINTEMP=-40C, Supplier Part Number 1=672-RCB-F9T-ND, VELENTIUM PART NUM="<V PART NUM>", CATEGORY=MOD, DESC="MOD BLE 4.2", MFG Name=UBLOCKS, MFG PART NUM=RCB-F9T, MODIFY DATE=9/11/13, P1=GPS, Supplier 1=Digi-Key
U10: "MOD, MAC, MAC-SA5X, ATOMIC CLOCK", MAXTEMP=85C, MINTEMP=-40C, VELENTIUM PART NUM="<V PART NUM>", CATEGORY=MOD, DESC="MOD, MAC, MAC-SA5X, ATOMIC CLOCK", MFG Name=MICROCHIP, MFG PART NUM=MAC-SA5X, MODIFY DATE="3/22/2006 1:36:44 PM", OTHER=AEC-Q200, P1="ATOMIC CLOCK"
U10AL: library part CMP-2000-07612-1, "Quantum(TM) Miniature Chip Scale Atomic Clock, 3.3 V, 10 MHz, -10 to 70 degC, 9-Pin THD, RoHS, Bulk", Manufacturer=Microsemi, Package Description="9-Pin Through Hole Device, Body 40.64 x 35.306 mm", Package Reference=090-02984-00X, Datasheet URL=https://media.digikey.com/pdf/Data%20Sheets/Microsemi%20PDFs/090-02984-001.pdf, Datasheet Version=03/2017, Manufacturer URL=http://www.microsemi.com/, Mounting Technology=ThroughHole
U11: "OSC, 10MHZ, 3.3V, 5PPB, DCOCXO, SMT", MAXTEMP=85C, MINTEMP=-30C, VELENTIUM PART NUM="<V PART NUM>", CATEGORY=OSC, DATE=9/18/2013, DESC="OSC, 10MHZ, 3.3V, 5PPB, DCOCXO, SMT", MFG Name=SITIME, MFG PART NUM=SiT5721AI-KWA33-T-10.000000, MODIFY DATE=9/18/2013, P1=OSC, P2=3.3V, P3=5PPB, SIZE=9.0X7.0MM
U13: "OSC, 10MHZ, 3.3V, 100PPB, DCTCXO, SMT", MAXTEMP=85C, MINTEMP=-30C, VELENTIUM PART NUM="<V PART NUM>", CATEGORY=OSC, DATE=9/18/2013, DESC="OSC, 10MHZ, 3.3V, 100PPB, DCTCXO, SMT", MFG Name=SITIME, MFG PART NUM=SiT5356AI-FQA33-IT-10.000000, MODIFY DATE=9/18/2013, P1=OSC, P2=3.3V, P3=100PPB, SIZE=5.0X3.2MM
X1: "XTAL, 32.768KHZ, 6PF LOAD CAP, SMD, ROHS", MAXTEMP=85C, MFG PART NUM="MC-306 32.768K-E3:ROHS", MINTEMP=-40C, Supplier Part Number 1=SER2417CT-ND, VALENTIUM PART NUM=<VALENTIUM>, CATEGORY=XTAL, DESC="XTAL, <VAL>, P1, P2, P3, EIA, OTHER", MFG Name="ABRACON CORPORATION", MODIFY DATE=9/5/2013, OTHER="MC306, 3.8X8.00X2.54MM", P1=6PF, P2=20PPM, P3=FUNDAMENTAL, SIZE=4-SOJ, Supplier 1=Digi-Key

## Free pads (board coordinates)
  round 250 hole 125.2 unplated: MH1(285.43,368.11) MH2(285.43,4152.06)

## Via types
v1: diameter 16, hole 8, TOP to BOTTOM, 428 vias
v2: diameter 200, hole 125.98, TOP to BOTTOM, 4 vias
v3: diameter 32, hole 16, TOP to BOTTOM, 3 vias

## Nets (pads, with @x,y where several pads share a name; then routed paths per layer and width w, separated by ;. In a path a pad name is that pad's centre, name@x,y a point inside that pad or via, vN(x,y) a via of type N, cw(c..) or ccw(c..) an arc to the next point about the centre after c; other vN are vias at no path point)
5721_STATUS: P1.B-64 U11.2 | length 1965
  TOP w8: v1(2821.84,2601.06) 2823.21,2599.69 P1.B-64@2823.21,2518.25 ; U11.2@3510.28,3395.2 3518.72,3403.64 3518.72,3437.94 3566.84,3486.06 v1(3622.84,3486.06)
  IN1 w8: v1(2821.84,2601.06) 3566.56,2601.06 3571.56,2606.06 3604.84,2606.06 v1(3623.84,2587.06)
  IN2 w8: v1(3622.84,3486.06) 3622.84,2588.06 v1(3623.84,2587.06)